# Altium PCB bqCNC.PcbDoc (part 1 of 6)
Units mm, origin at the board's own origin, x right, y up, seen from the top; angles counter-clockwise.
Board outline 136 x 100 mm, 4 copper layers (Top Layer, Power Layer, Signal Layer 1, GND Layer), stack 1.584 mm thick; 429 components, 259 nets, 1361 pads, 782 vias.
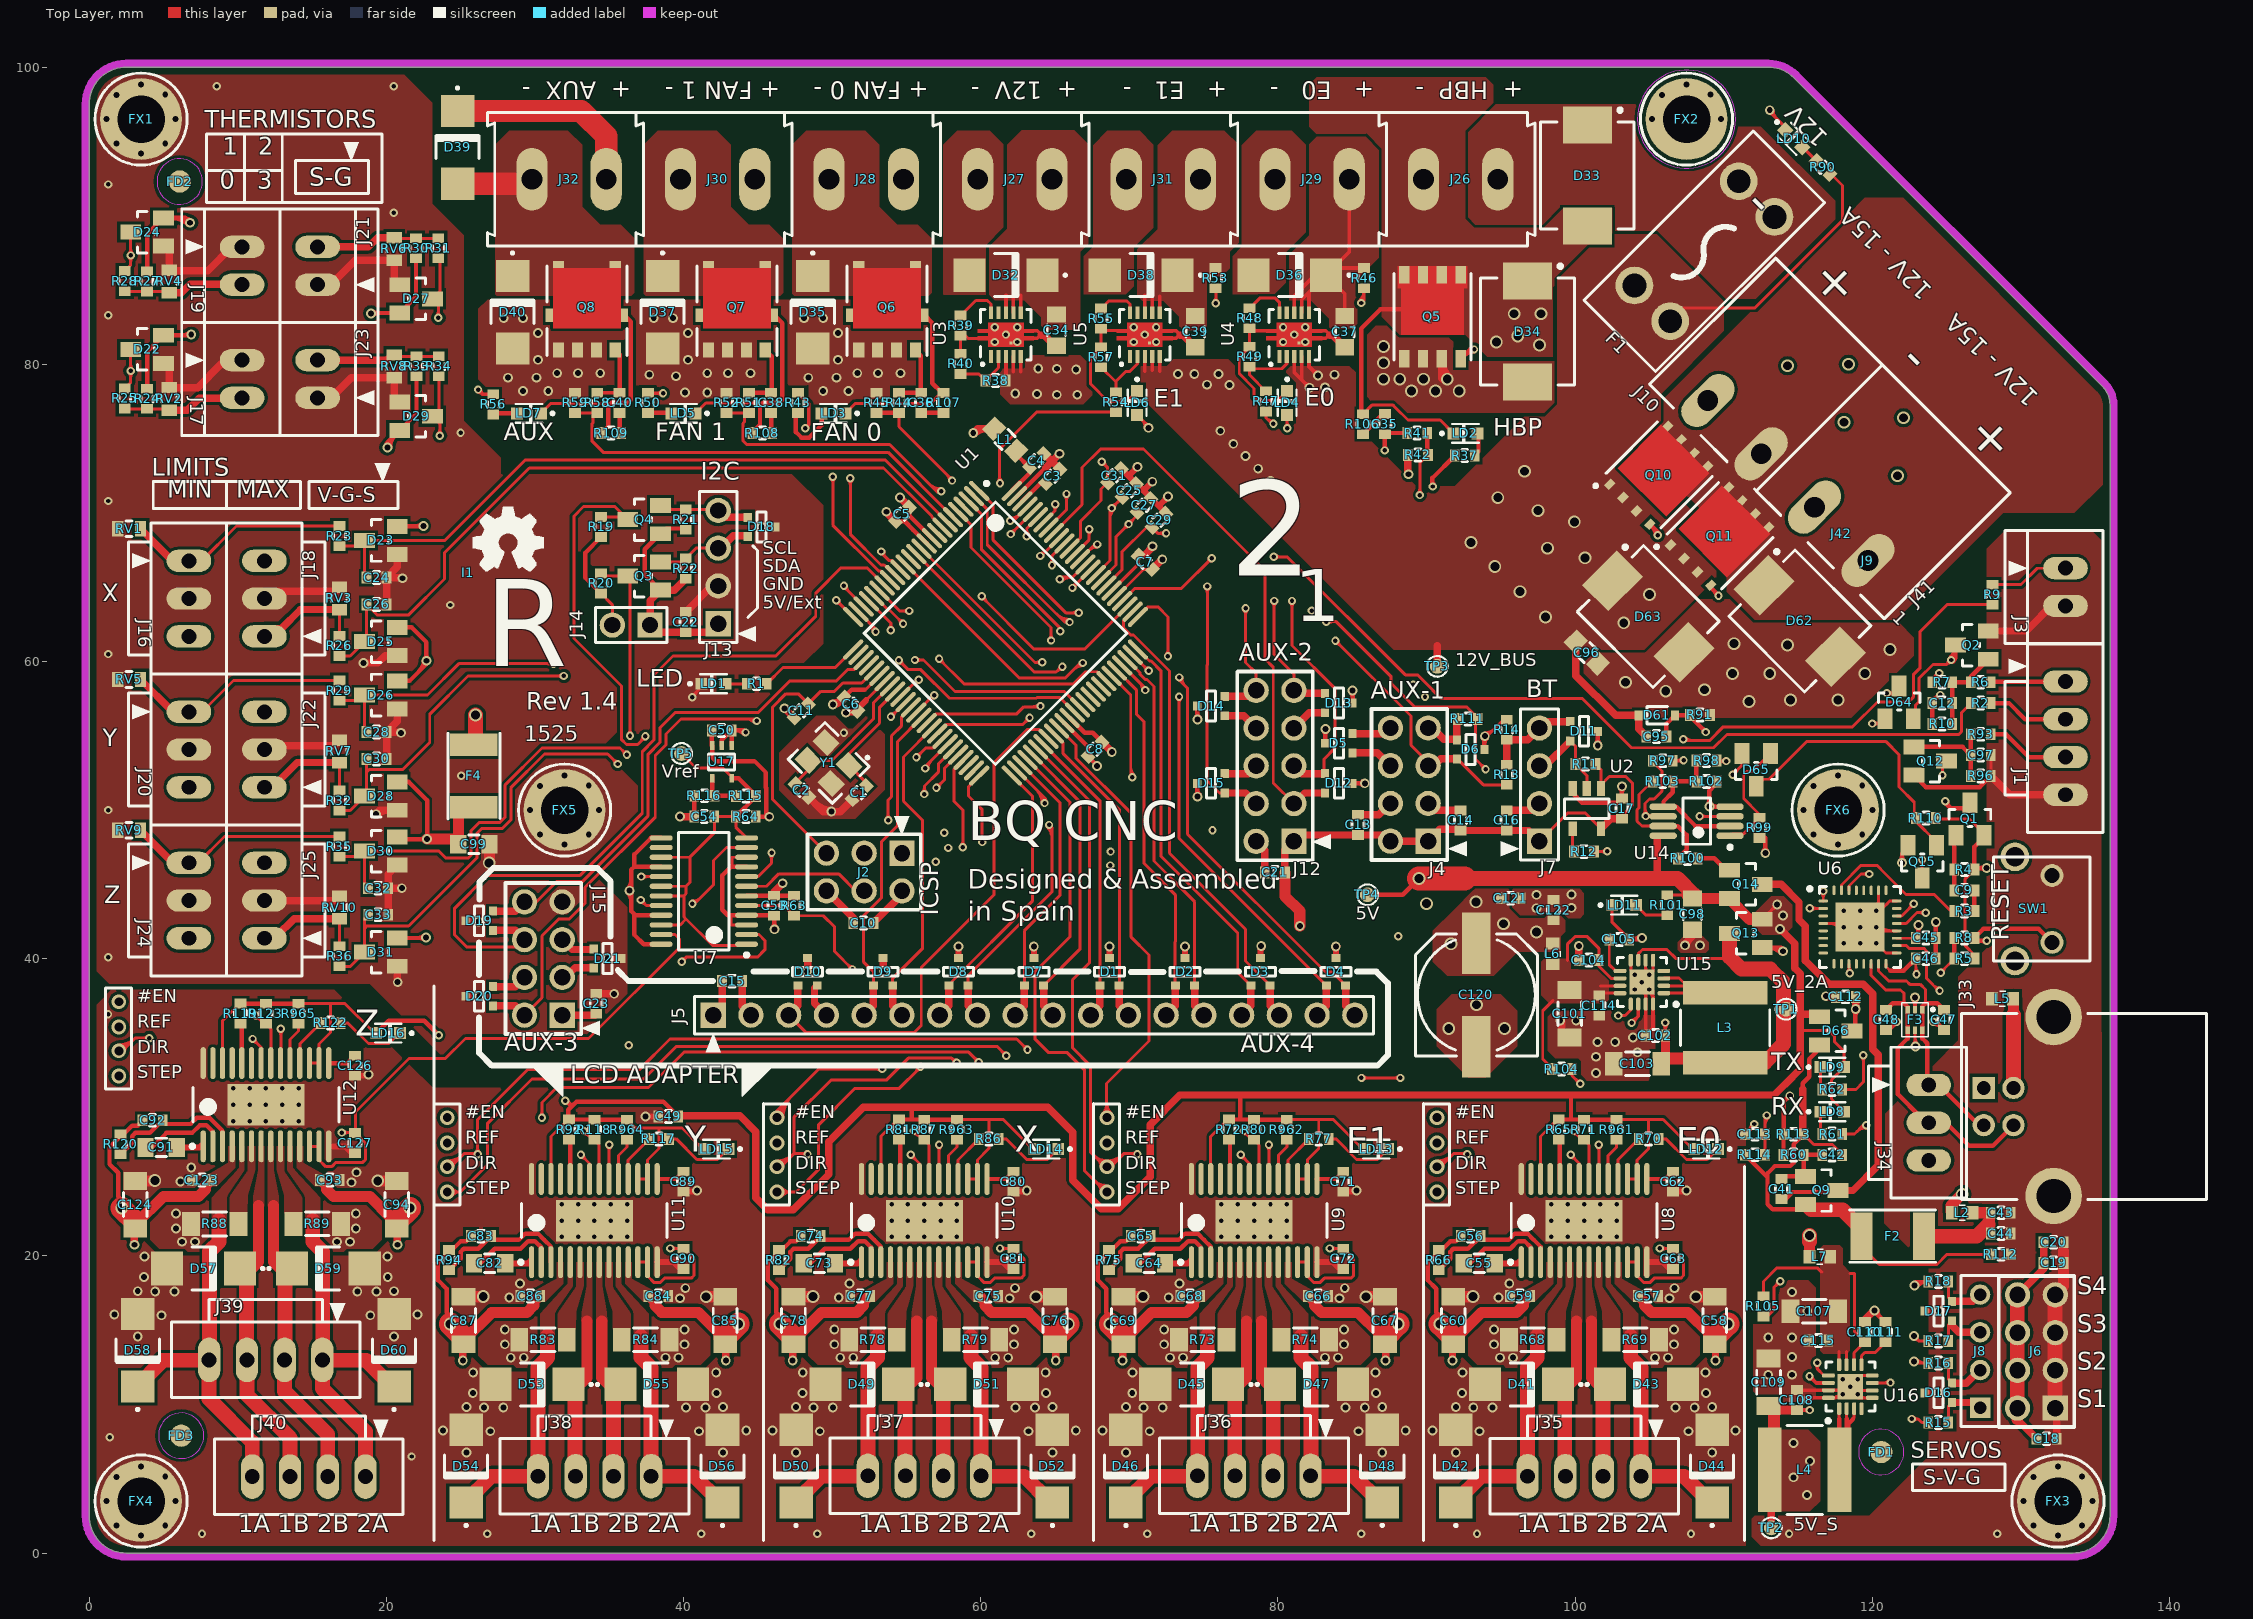
[diagram p0: Top Layer view]
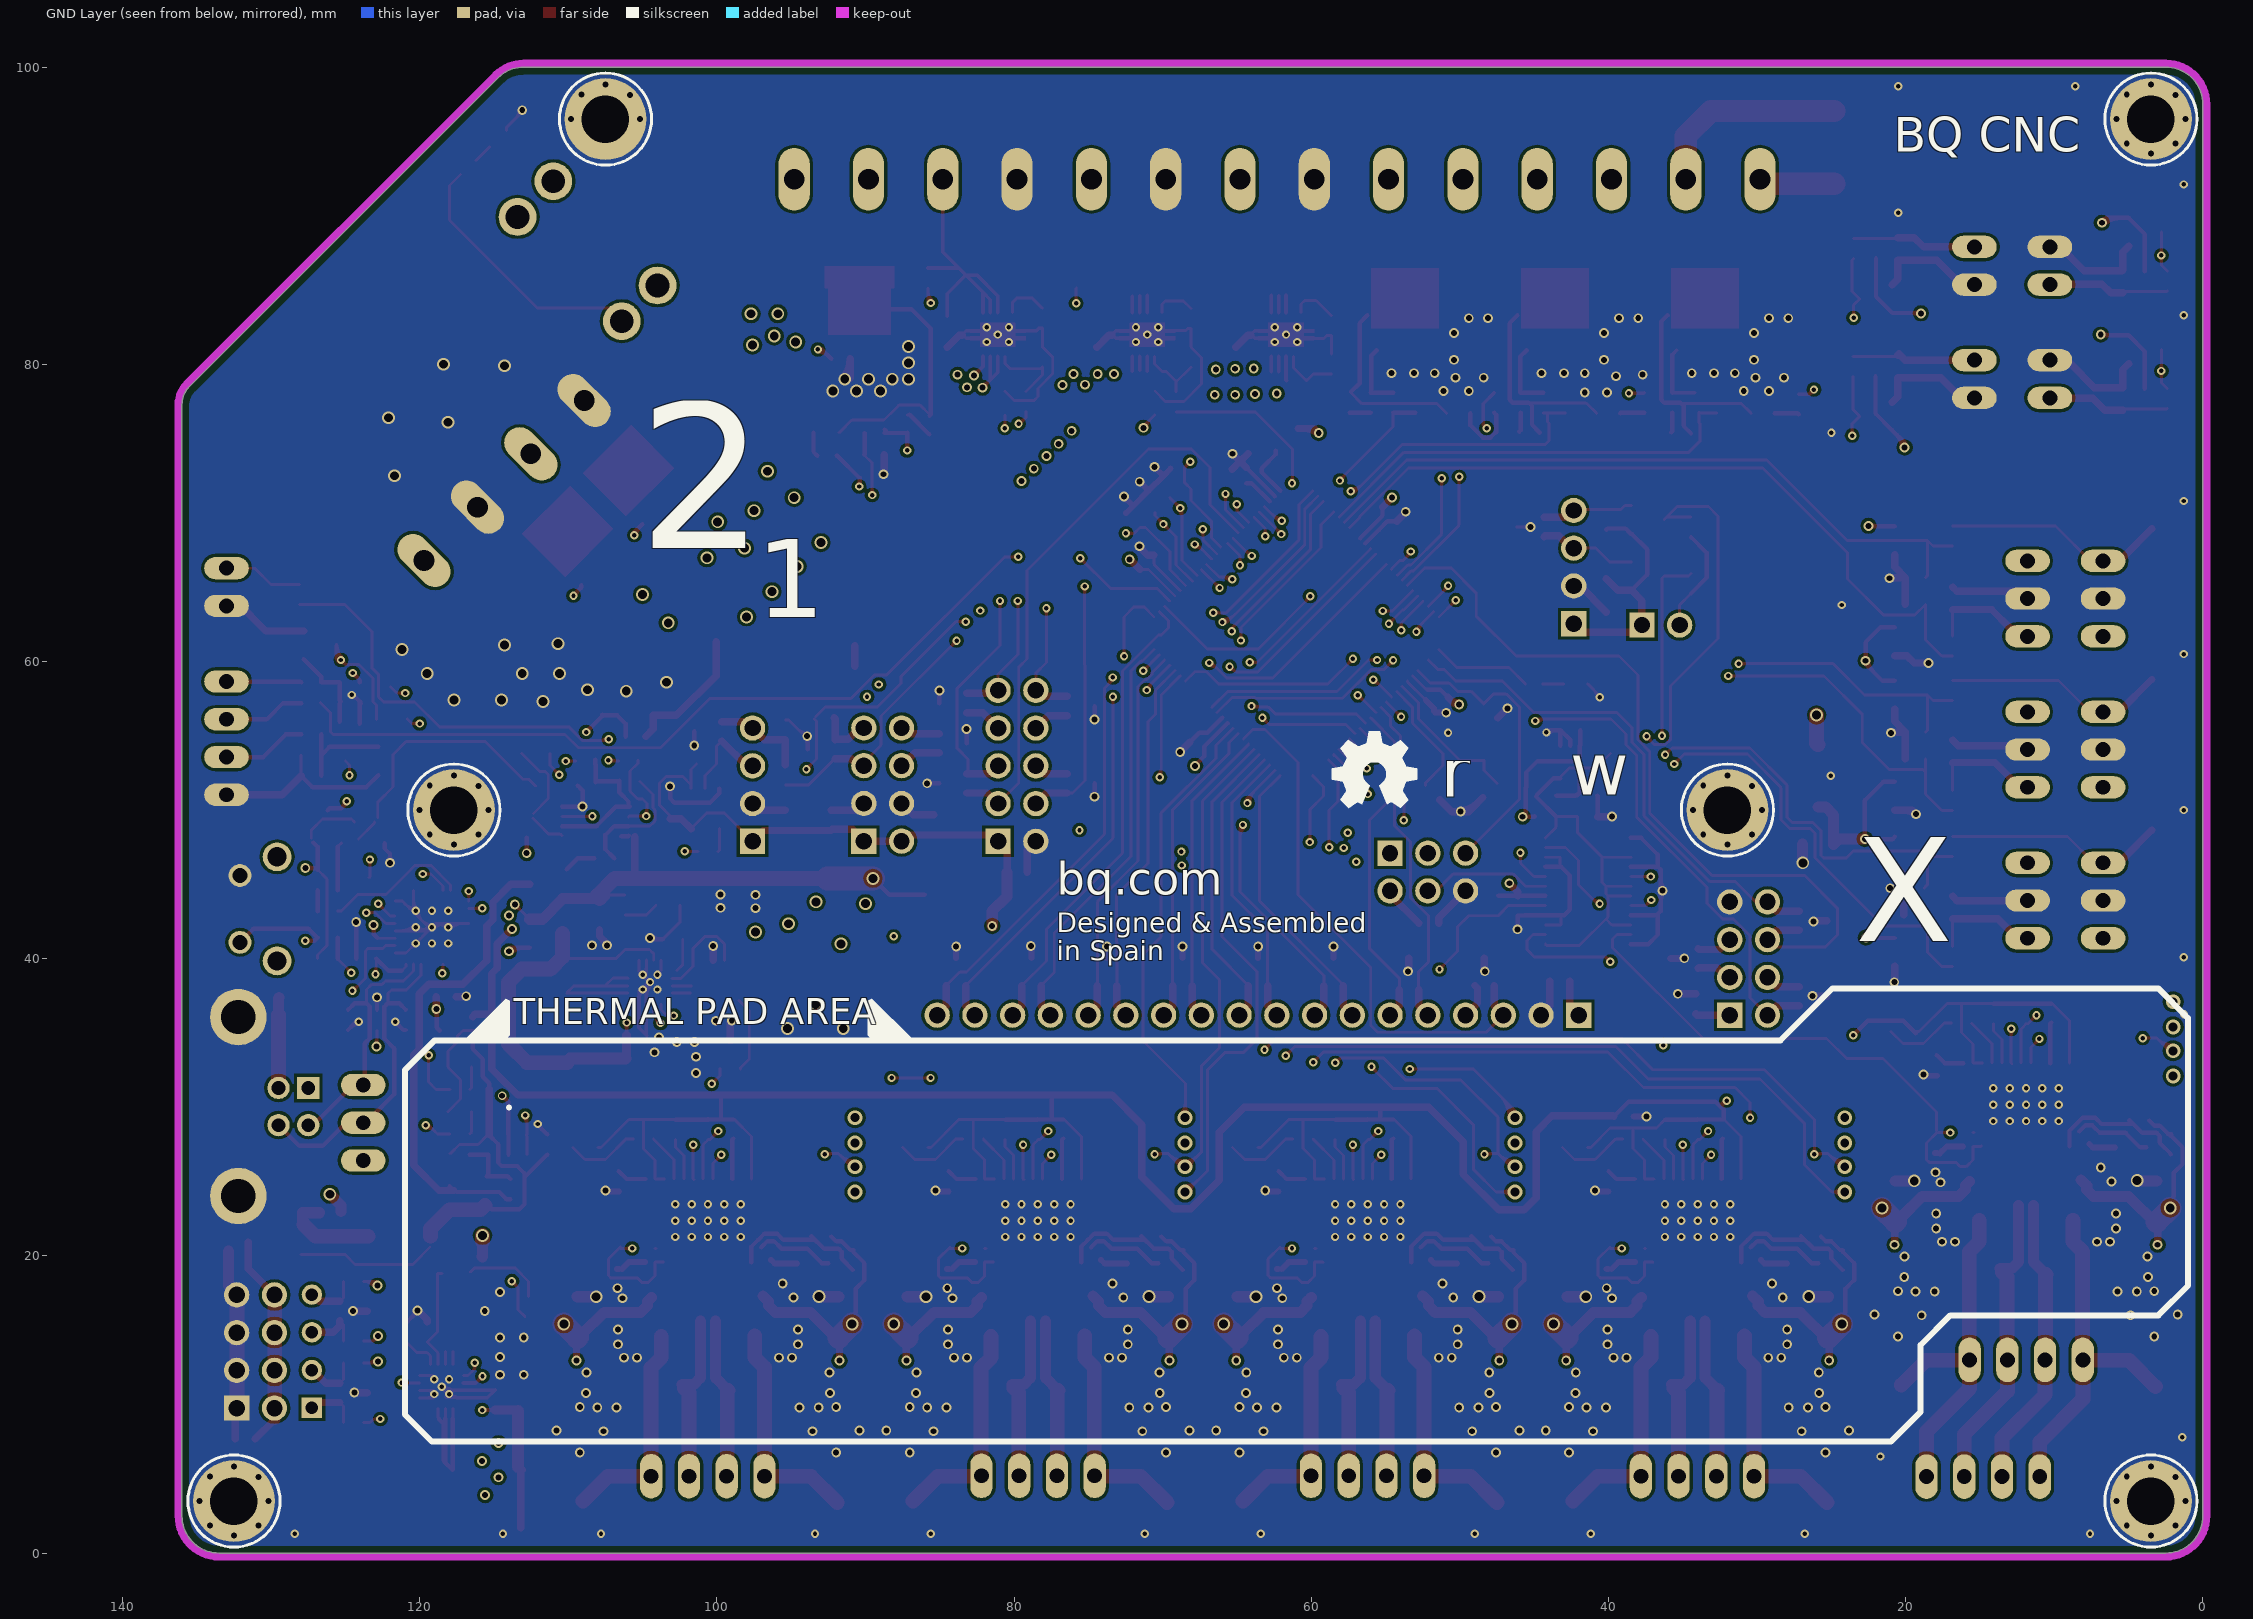
[diagram p1: GND Layer view, seen from below]
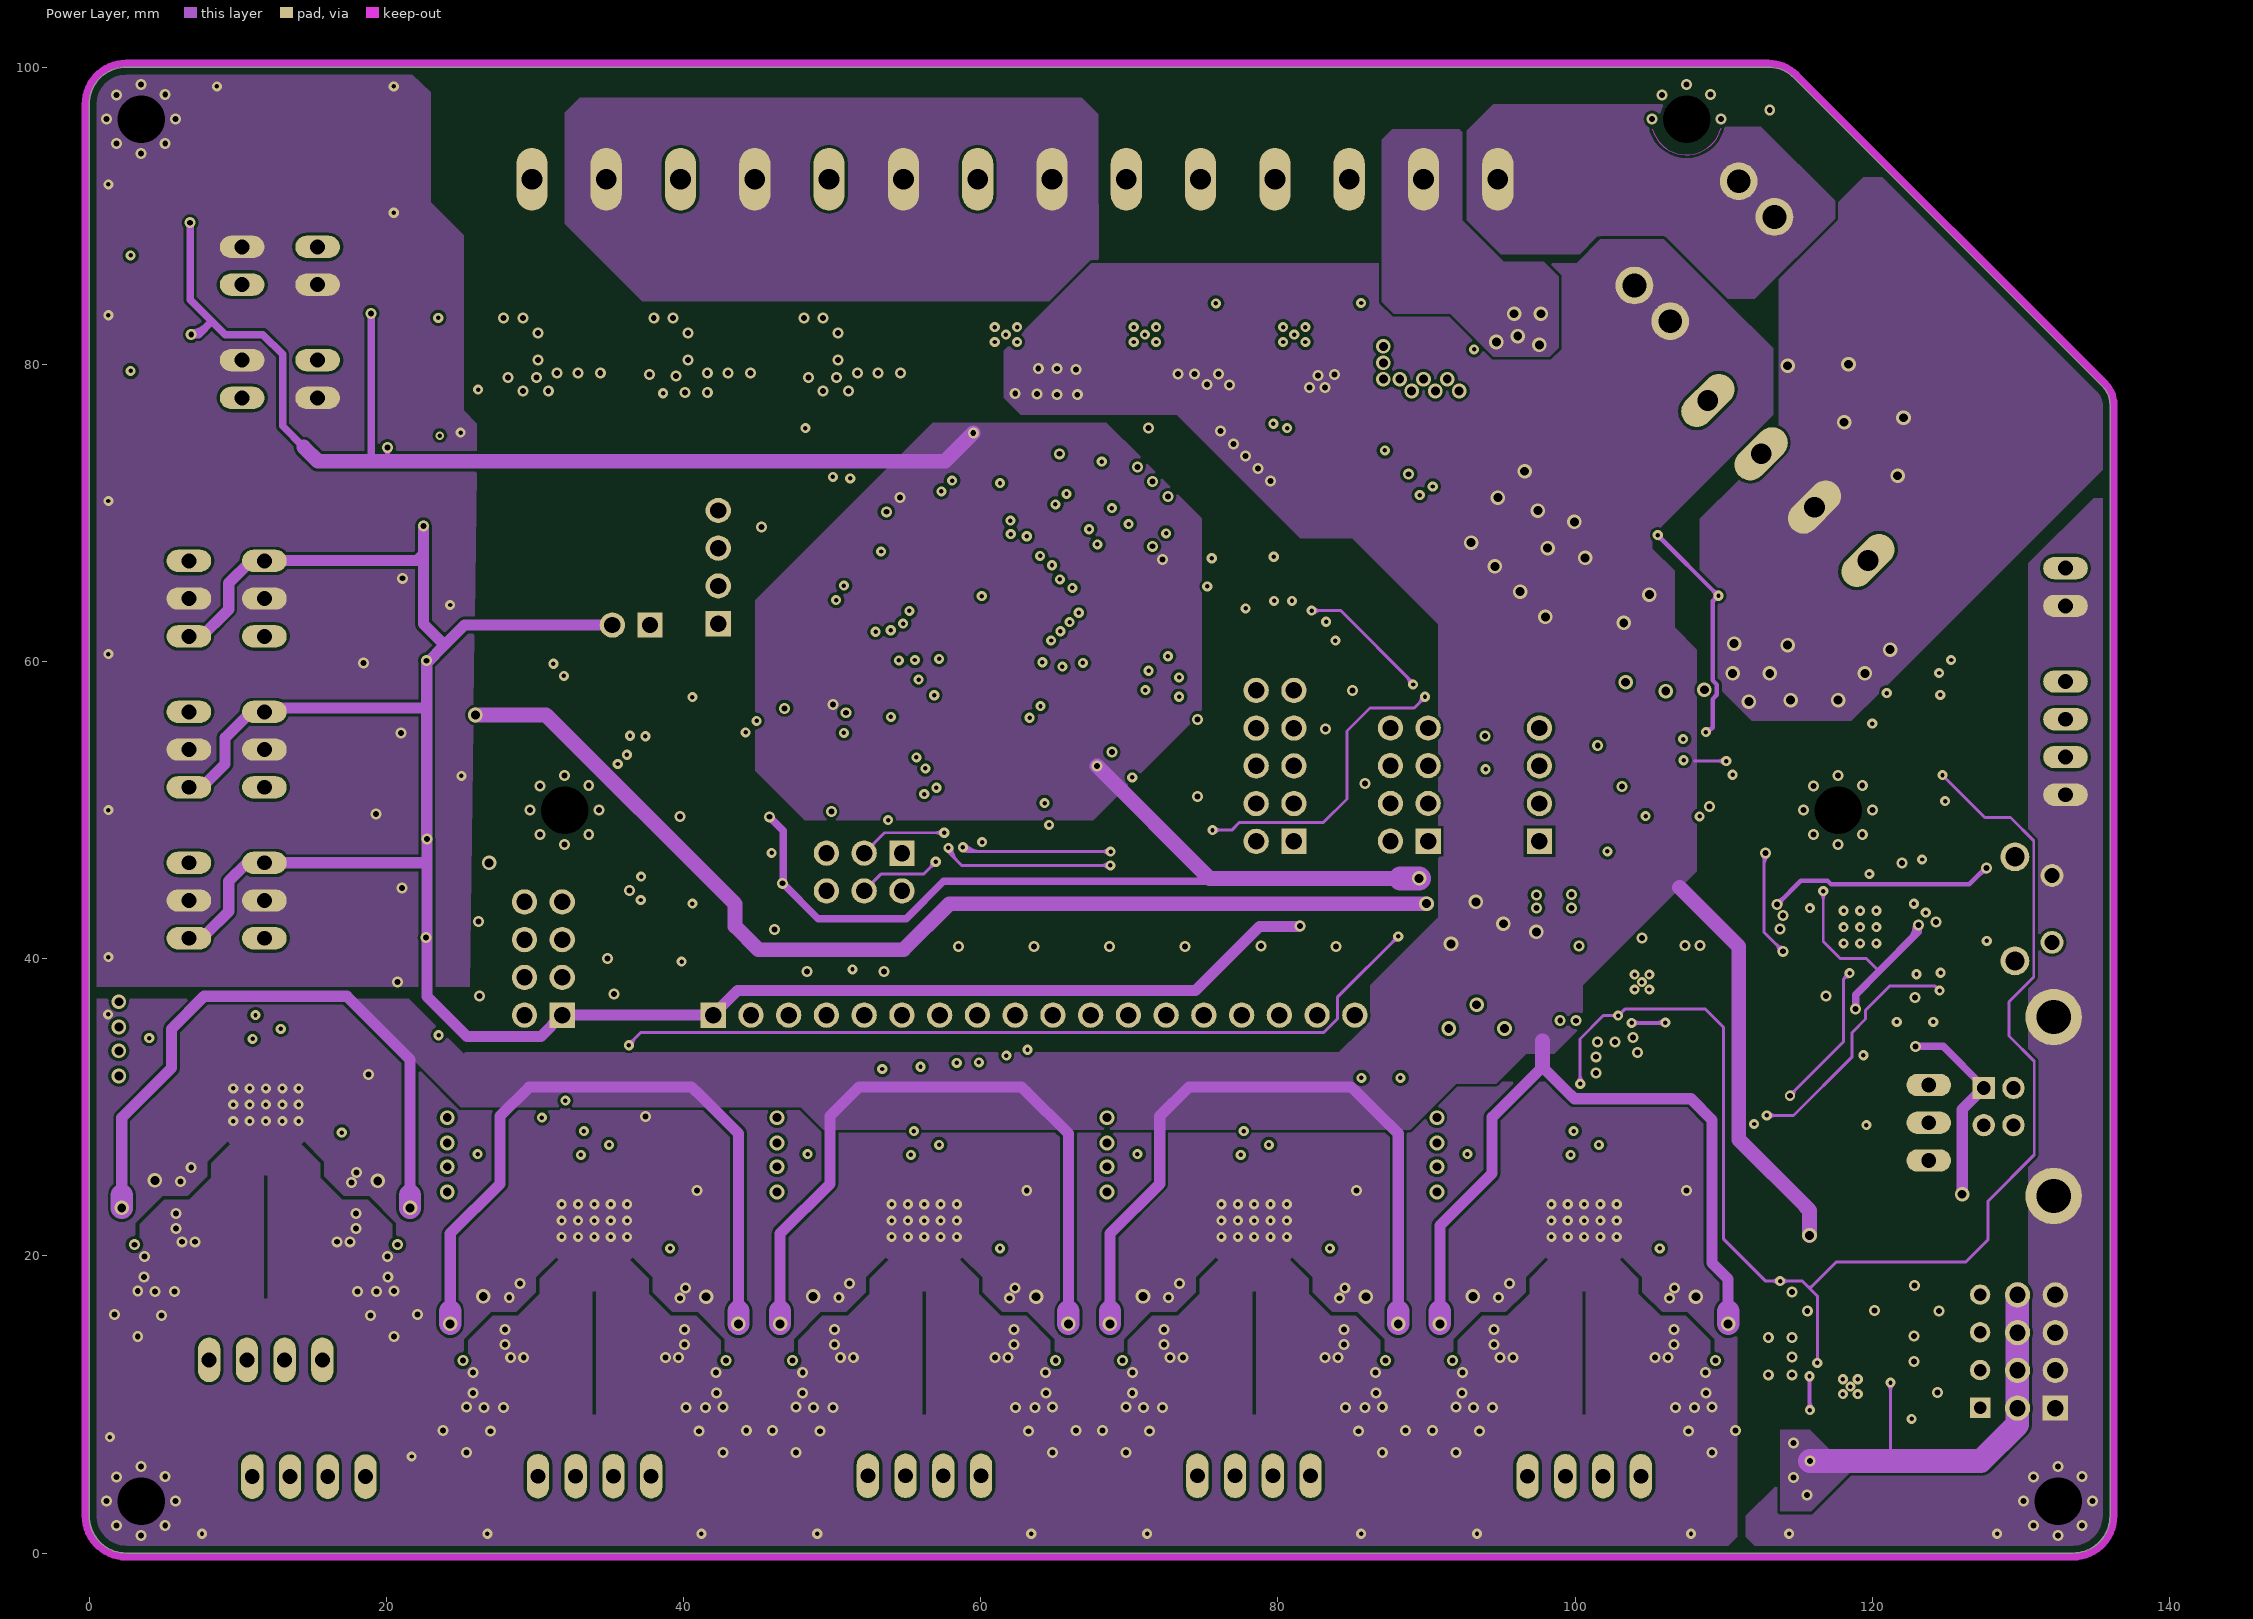
[diagram p2: Power Layer]
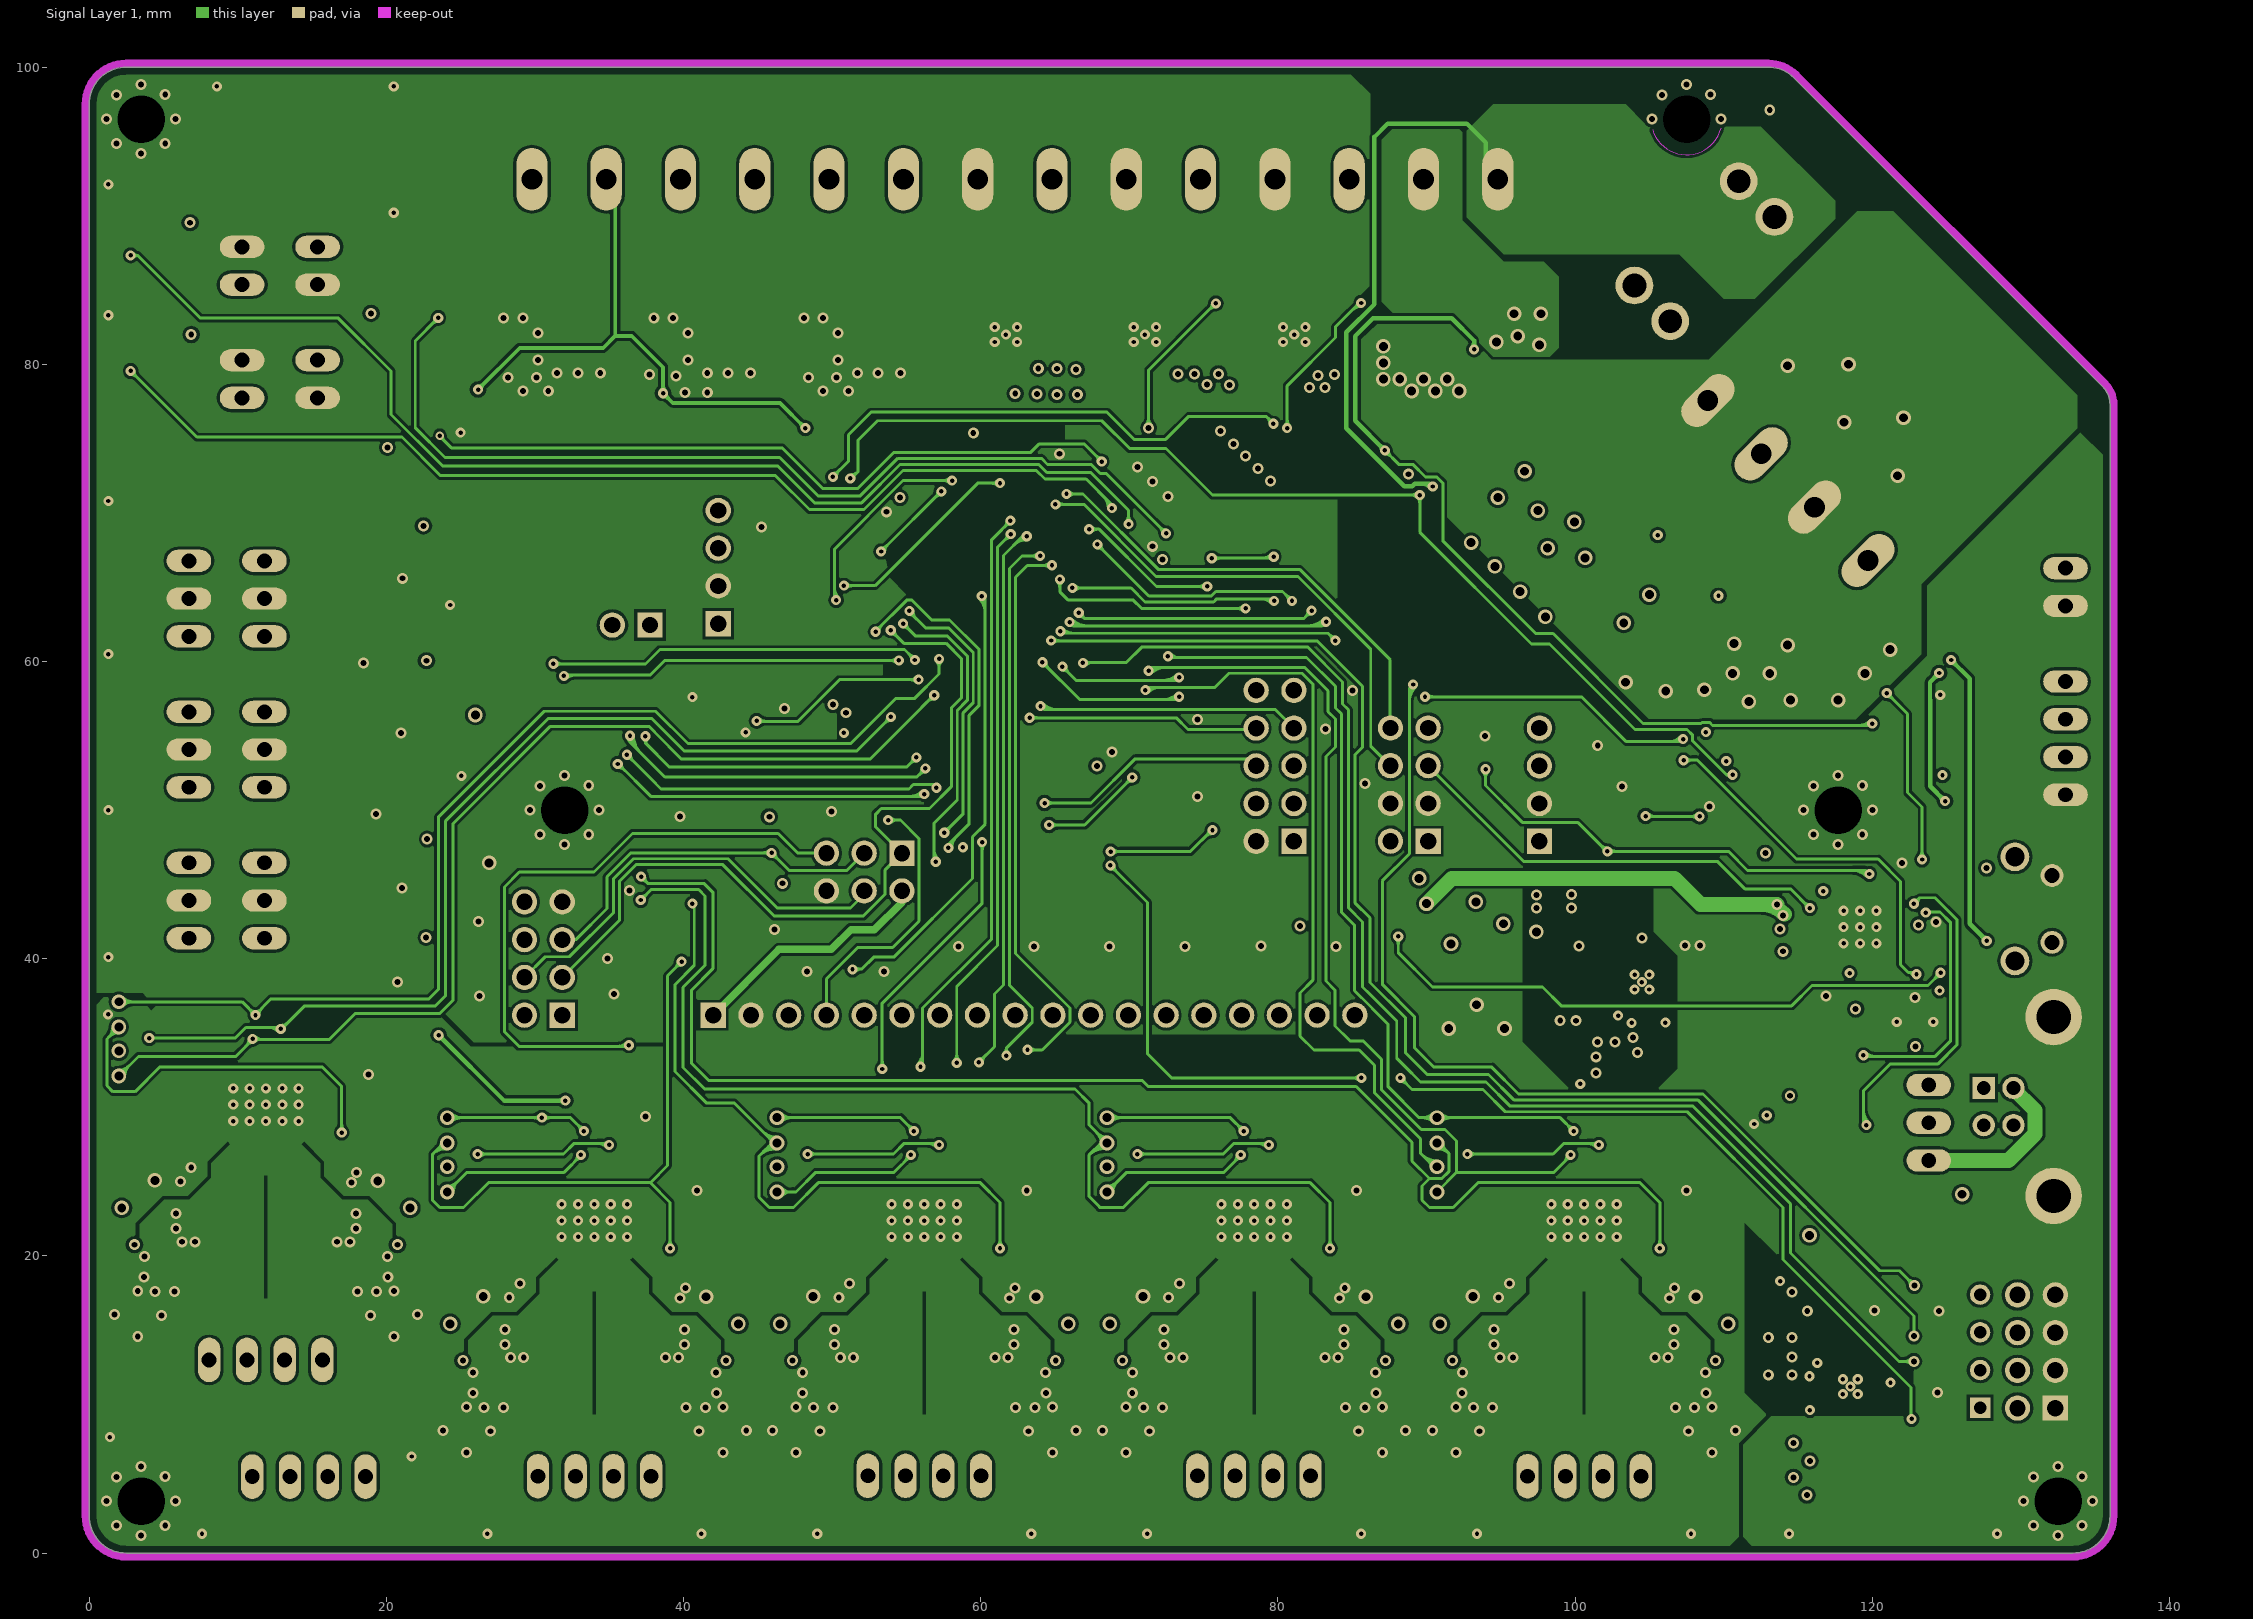
[diagram p3: Signal Layer 1]

## Layer stack, top to bottom
Top Solder: solder mask 0.0102, Solder Resist, Dk 3.5
Top Layer: signal copper 0.042
Dielectric 3: dielectric 0.35, Dk 4.2
Power Layer: signal copper 0.035
Dielectric 1: core 0.73, FR-4, Dk 4.2
Signal Layer 1: signal copper 0.035
Dielectric 2: dielectric 0.35, Dk 4.2
GND Layer: signal copper 0.042
Bottom Solder: solder mask 0.0102, Solder Resist, Dk 3.5

## Board outline
136,77.293 ccw(c134.293,77.293) 135.5,78.5 114.707,99.293 ccw(c113,97.586) 113,100 2.5,100 ccw(c2.5,97.5) 0,97.5 0,2.5 ccw(c2.5,2.5) 2.5,0 133.5,0 ccw(c133.5,2.5) 136,2.5

## Design rules (kind name [scope] priority, off if disabled: settings)
AssemblyTestPointUsage [All] p1: valid=2
AssemblyTestpoint [(IsPad And (OnTopLayer Or OnBottomLayer)) Or (IsVia)] p1: testpointundercomponent=FALSE minsize=1.016 maxsize=2.54 preferedsize=1.524 minholesize=0 maxholesize=1.016 preferedholesize=0.813 testpointgrid=0.025 usegrid=FALSE gridtolerance=0 allowsidetop=TRUE
Clearance Clearance_KO [OnLayer('Keep-Out Layer')] p1: gap=0.5
Clearance [All] p2: gap=0.2
ComponentClearance [All] p1: gap=0 collisioncheckmode=3 verticalgap=0.1 showdistances=FALSE
DiffPairsRouting [All] p1: maxlimit=0.254 minlimit=0.254 mostfreqgap=0.254 toplayer_minwidth=0.2 toplayer_maxwidth=0.381 toplayer_prefwidth=0.381 midlayer1_minwidth=0.2 midlayer1_maxwidth=0.381 midlayer1_prefwidth=0.381 midlayer2_minwidth=0.2 midlayer2_maxwidth=0.381 midlayer2_prefwidth=0.381 bottomlayer_minwidth=0.2 bottomlayer_maxwidth=0.381 bottomlayer_prefwidth=0.381 maxuncoupledlength=12.7
HoleSize [All] p1: absolutevalues=TRUE maxlimit=3.2 minlimit=0.3 maxpercent=80.000 minpercent=20.000
MinimumAnnularRing MinimumAnnularRing_IL [OnLayer('Power Layer') OR OnLayer('Signal Layer 1')] p1: minimumring=0.19
MinimumAnnularRing MinimumAnnularRing_OL [OnLayer('Top Layer') OR OnLayer('Bottom Layer')] p2: minimumring=0.13
MinimumSolderMaskSliver [All] p1: minsoldermaskwidth=0.1
NetAntennae [All] p1: netantennaetolerance=2
PlaneConnect [All] p1: planeconnectstyle=Direct reliefexpansion=0.508 reliefentries=4 reliefconductorwidth=0.254 reliefairgap=0.254
PolygonConnect [All] p1: connectstyle=Direct reliefconductorwidth=0.4 reliefentries=4 polygonreliefangle="90 Angle" airgapwidth=0.254
RoomDefinition U_5V_S [InComponentClass('U_5V_S')] p1: confinementstyle=ConfineIn formatcopy=TRUE lockcomponents=FALSE outline 111.675,18.5 111.675,2.125 121.925,2.125 121.925,18.5
RoomDefinition U_5V [InComponentClass('U_5V')] p2: confinementstyle=ConfineIn formatcopy=FALSE lockcomponents=FALSE outline 96.575,31.575 113.575,31.575 113.575,41.825 96.575,41.825
RoomDefinition U_Z [InComponentClass('U_Z')] p3: confinementstyle=ConfineIn formatcopy=TRUE lockcomponents=FALSE outline 23.3,38.55 1.1,38.55 1.1,7.85 23.3,7.85
RoomDefinition U_Y [InComponentClass('U_Y')] p4: confinementstyle=ConfineIn formatcopy=TRUE lockcomponents=FALSE outline 45.4,30.75 23.2,30.75 23.2,0.05 45.4,0.05
RoomDefinition U_X [InComponentClass('U_X')] p5: confinementstyle=ConfineIn formatcopy=TRUE lockcomponents=FALSE outline 67.6,30.75 45.4,30.75 45.4,0.05 67.6,0.05
RoomDefinition U_E1 [InComponentClass('U_E1')] p6: confinementstyle=ConfineIn formatcopy=TRUE lockcomponents=FALSE outline 89.8,30.75 67.6,30.75 67.6,0.05 89.8,0.05
RoomDefinition U_E0 [InComponentClass('U_E0')] p7: confinementstyle=ConfineIn formatcopy=FALSE lockcomponents=FALSE outline 112,30.75 89.8,30.75 89.8,0.05 112,0.05
RoutingVias [All] p1: holewidth=0.3 width=0.56 viastyle="Through Hole" minholewidth=0.3 minwidth=0.56 maxholewidth=0.8 maxwidth=1.2
SilkToSilkClearance [All] p1: silktosilkclearance=0.1
SilkToSolderMaskClearance [All] p1: minsilkscreentomaskgap=0.05 clearancetoexposedcopper=TRUE
SolderMaskExpansion "Via Tenting" [IsVia] p1: expansion=-0.13
SolderMaskExpansion [All] p2: expansion=0.1
Width [All] p1: maxlimit=9 minlimit=0.2 preferedwidth=0.2
20 further rules are at their usual default settings.

## Classes and differential pairs
component class U_Z: C91 C92 C93 C94 C123 C124 C126 C127 D57 D58 D59 D60 LD16 R88 R89 R119 R120 R122 R123 R965 U12
component class U_Y: C82 C83 C84 C85 C86 C87 C89 C90 D53 D54 D55 D56 LD15 R83 R84 R92 R94 R117 R118 R964 U11
component class U_X: C73 C74 C75 C76 C77 C78 C80 C81 D49 D50 D51 D52 LD14 R78 R79 R81 R82 R86 R87 R963 U10
component class U_E1: C64 C65 C66 C67 C68 C69 C71 C72 D45 D46 D47 D48 LD13 R72 R73 R74 R75 R77 R80 R962 U9
component class U_E0: C55 C56 C57 C58 C59 C60 C62 C63 D41 D42 D43 D44 LD12 R65 R66 R68 R69 R70 R71 R961 U8
component class U_5V: C101 C102 C103 C104 C105 C114 L3 L6 R104 U15
component class U_5V_S: C107 C108 C109 C110 C111 C115 L4 L7 R105 U16
channel class Motor_Driver: U_E0 U_E1 U_X U_Y U_Z
channel class SW_PS_5V: U_5V U_5V_S
differential pair USB: +USB_P -USB_N
